# KiCad board lpddr5-testbed.kicad_pcb
title: LPDDR5 Testbed; date: 2023-12-19; rev: 1.0.0
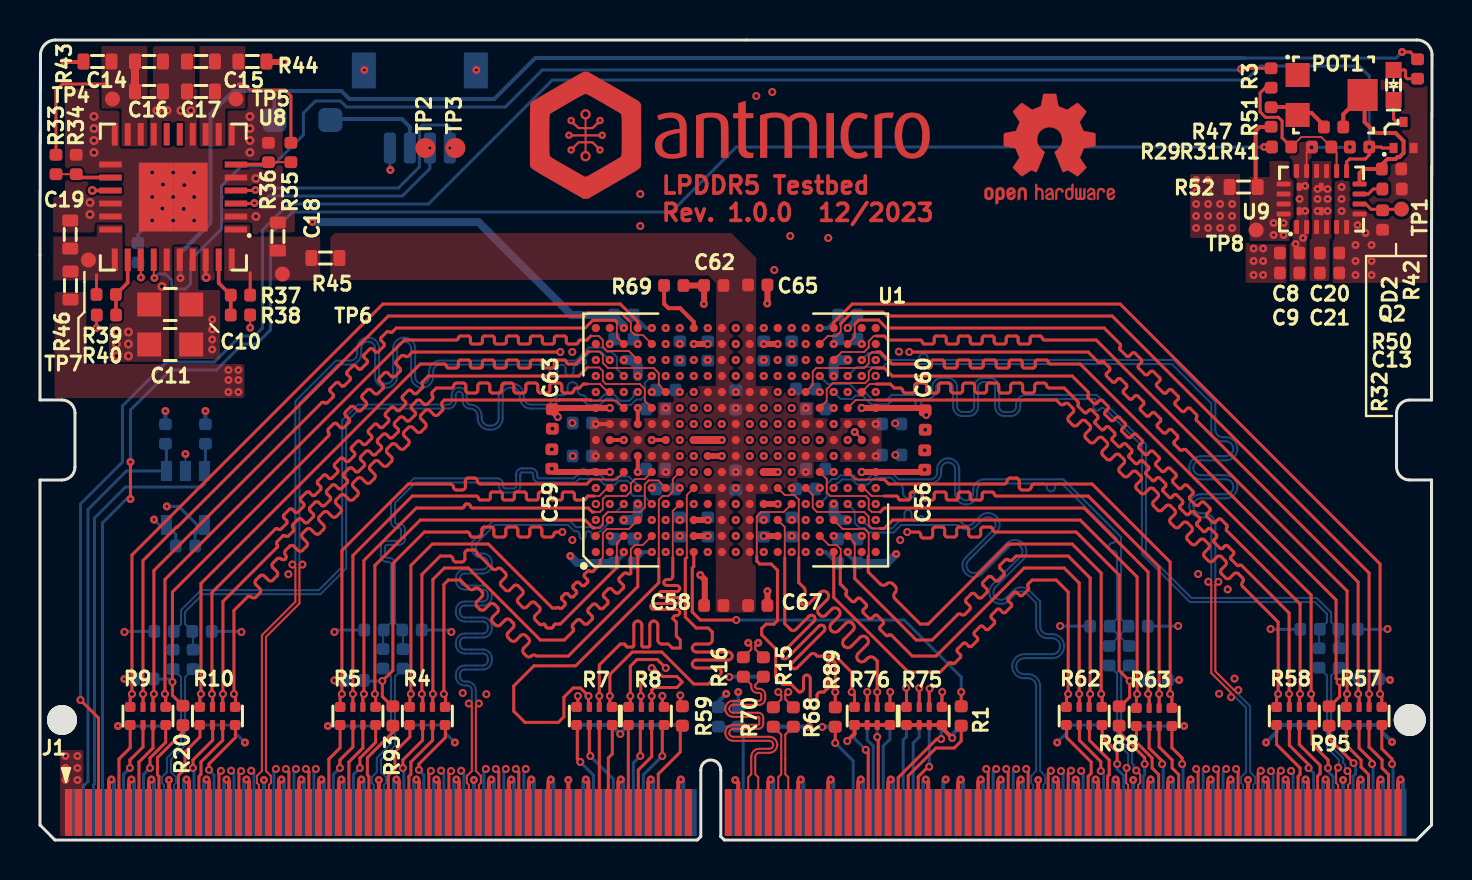
[diagram p0: board, top side]
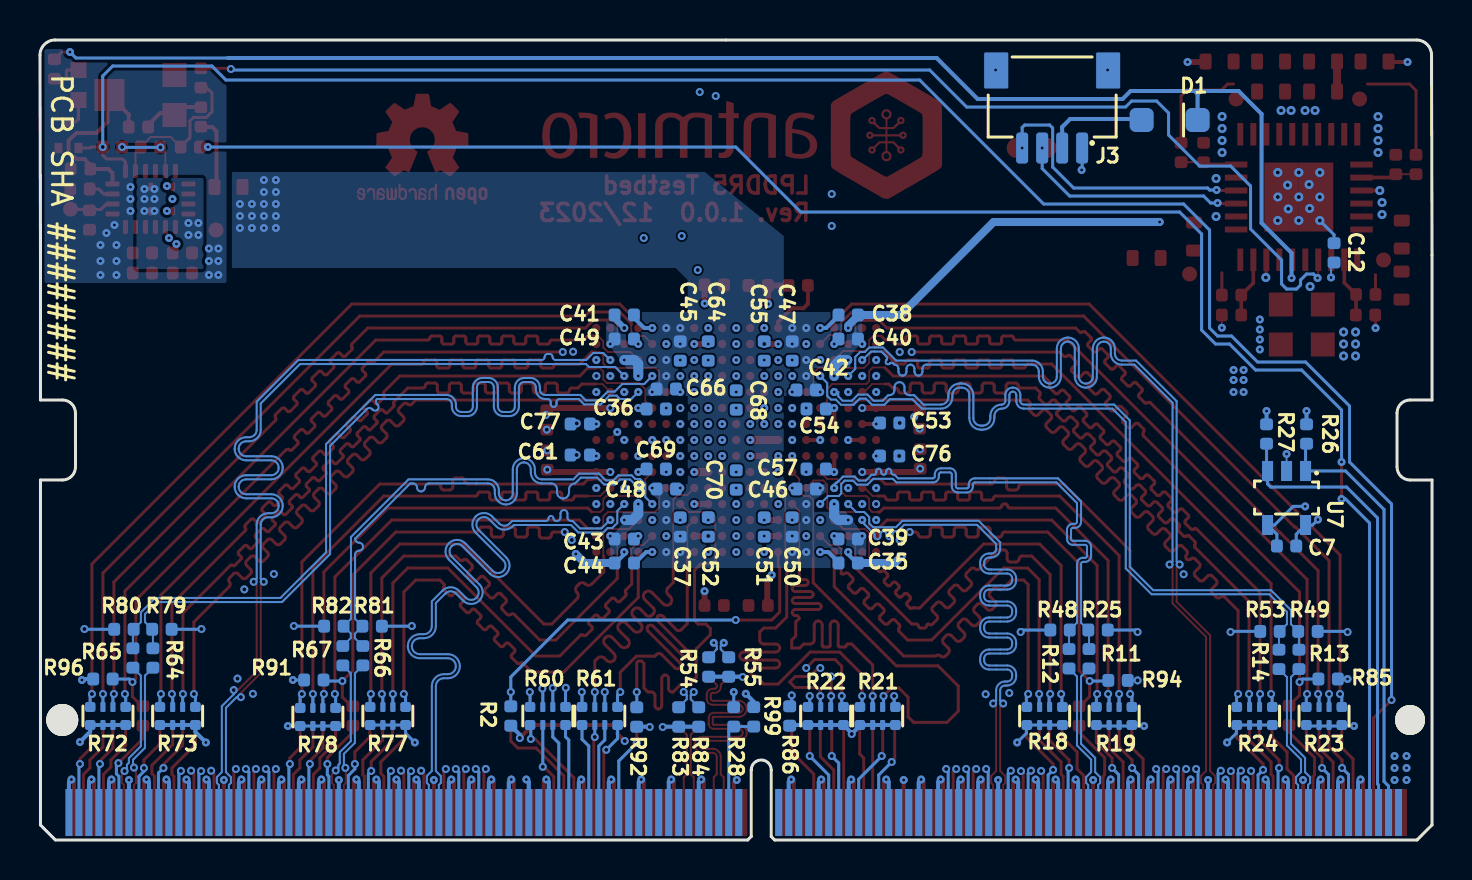
[diagram p1: board, bottom side, seen from below]

Outline 69.62 x 40 mm; copper layers: Top, In1.Cu (plane), In2.Cu (plane), In3.Cu, In4.Cu, Bottom. Coordinates in mm from the lower left corner of the outline.
Outline path: 0,29.25 0.02,39.25 arc(0.24,39.78) 0.77,40 68.88,40 arc(69.4,39.78) 69.62,39.25 69.6,29.25
Stack: Top 0.035mm / dielectric 0.11mm PR2116 er 4.29 / In1.Cu 0.018mm / dielectric 0.4mm FR4 er 4.29 / In2.Cu 0.018mm / dielectric 0.11mm PR2116 er 4.29 / In3.Cu 0.018mm / dielectric 0.4mm FR4 er 4.29 / In4.Cu 0.018mm / dielectric 0.11mm PR2116 er 4.29 / Bottom 0.035mm

## Placement (name value [footprint] x y rotation side)
C7  C_4u7_0402  [C_0402_1005Metric]  7.28 14.7 0 bottom
C8  C_4u7_0402  [C_0402_1005Metric]  62.5 29.35 0 top
C9  C_4u7_0402  [C_0402_1005Metric]  62.5 28.35 0 top
C10  C_22u_25V_0805  [C_0805_2012Metric]  6.51 26.78 0 top
C11  C_22u_25V_0805  [C_0805_2012Metric]  6.51 24.78 0 top
C12  C_1u_0402  [C_0402_1005Metric]  4.9 29.36 270 bottom
C13  C_10n_0402  [C_0402_1005Metric]  67.62 32.55 180 top
C14  C_22u_0603  [C_0603_1608Metric]  5.45 38.92 180 top
C15  C_22u_0603  [C_0603_1608Metric]  8.05 38.92 0 top
C16  C_22u_0603  [C_0603_1608Metric]  5.45 37.42 180 top
C17  C_22u_0603  [C_0603_1608Metric]  8.05 37.42 0 top
C18  C_22u_0603  [C_0603_1608Metric]  11.9 30.17 270 top
C19  C_22u_0603  [C_0603_1608Metric]  1.51 30.28 270 top
C20  C_4u7_0402  [C_0402_1005Metric]  64.5 29.35 180 top
C21  C_4u7_0402  [C_0402_1005Metric]  64.5 28.35 180 top
C35  C_4u7_0402  [C_0402_1005Metric]  29.2 13.85 180 bottom
C36  C_4u7_0402  [C_0402_1005Metric]  38.3 22.55 0 bottom
C37  C_4u7_0402  [C_0402_1005Metric]  37.6 15.65 270 bottom
C38  C_4u7_0402  [C_0402_1005Metric]  29.2 26.25 180 bottom
C39  C_4u7_0402  [C_0402_1005Metric]  29.2 15.05 180 bottom
C40  C_4u7_0402  [C_0402_1005Metric]  29.2 25.05 180 bottom
C41  C_4u7_0402  [C_0402_1005Metric]  40.4 26.25 0 bottom
C42  C_4u7_0402  [C_0402_1005Metric]  31.3 22.5 180 bottom
C43  C_4u7_0402  [C_0402_1005Metric]  40.4 15.05 0 bottom
C44  C_4u7_0402  [C_0402_1005Metric]  40.4 13.85 0 bottom
C45  C_4u7_0402  [C_0402_1005Metric]  37.6 24.45 90 bottom
C46  C_4u7_0402  [C_0402_1005Metric]  31.3 17.55 180 bottom
C47  C_4u7_0402  [C_0402_1005Metric]  32 24.45 90 bottom
C48  C_4u7_0402  [C_0402_1005Metric]  38.3 17.55 0 bottom
C49  C_4u7_0402  [C_0402_1005Metric]  40.4 25.05 0 bottom
C50  C_4u7_0402  [C_0402_1005Metric]  32 15.65 270 bottom
C51  C_4u7_0402  [C_0402_1005Metric]  33.4 15.65 270 bottom
C52  C_4u7_0402  [C_0402_1005Metric]  36.2 15.65 270 bottom
C53  C_4u7_0402  [C_0402_1005Metric]  27.12 20.85 0 bottom
C54  C_4u7_0402  [C_0402_1005Metric]  30.8 21.55 0 bottom
C55  C_4u7_0402  [C_0402_1005Metric]  33.4 24.45 90 bottom
C56  C_4u7_0402  [C_0402_1005Metric]  44.25 19 270 top
C57  C_4u7_0402  [C_0402_1005Metric]  30.8 18.55 0 bottom
C58  C_4u7_0402  [C_0402_1005Metric]  33.7 11.72 0 top
C59  C_4u7_0402  [C_0402_1005Metric]  25.6 19.05 270 top
C60  C_4u7_0402  [C_0402_1005Metric]  44.28 21 90 top
C61  C_4u7_0402  [C_0402_1005Metric]  42.6 19.25 180 bottom
C62  C_4u7_0402  [C_0402_1005Metric]  33.7 27.72 0 top
C63  C_4u7_0402  [C_0402_1005Metric]  25.62 21.05 90 top
C64  C_4u7_0402  [C_0402_1005Metric]  36.2 24.45 90 bottom
C65  C_4u7_0402  [C_0402_1005Metric]  35.9 27.75 180 top
C66  C_4u7_0402  [C_0402_1005Metric]  38.8 21.55 180 bottom
C67  C_4u7_0402  [C_0402_1005Metric]  35.9 11.72 180 top
C68  C_4u7_0402  [C_0402_1005Metric]  34.8 22 270 bottom
C69  C_4u7_0402  [C_0402_1005Metric]  38.8 18.55 180 bottom
C70  C_4u7_0402  [C_0402_1005Metric]  34.8 18 90 bottom
C76  C_4u7_0402  [C_0402_1005Metric]  27.12 19.2 0 bottom
C77  C_4u7_0402  [C_0402_1005Metric]  42.6 20.8 180 bottom
D1  PTVS48VS1UR  [D_SOD-123F]  13.12 36 0 bottom
D2  LED_G_0603_KP-1608CGCK  [LED_0603_1608Metric_G]  67.7 37.75 270 top
J1  Edge_Conn_Bus_DDR5_SODIMM_1xDetectPin  [Edge_Conn_Bus_DDR5_SODIMM]  0 0 0 top
J3  JST_SH_1x4_SM04B-SRSS-TB-LF-SN  [Conn_JST_SH_1x4_SM04B-SRSS-TB-LF-SN]  19 37.05 0 bottom
POT1  TC33X-2-203E  [Trimpot_3.8mmx3.6mm_TC33X-2-103E]  64.6 37.25 270 top
Q2  DMG1012T-7  [SOT-523]  68.2 35.25 0 top
R1  R_0R_0402  [R_0402_1005Metric]  46.08 6.2 90 top
R2  R_100R_0402  [R_0402_1005Metric]  46.08 6.2 90 bottom  (not fitted)
R3  R_0R_0402  [R_0402_1005Metric]  61.58 38.1 90 top
R4  R_4x100R_0402_array  [R_Array_4x0402_Panasonic_EXB28V]  19.38 6.2 0 top
R5  R_4x100R_0402_array  [R_Array_4x0402_Panasonic_EXB28V]  15.9 6.2 0 top
R7  R_4x100R_0402_array  [R_Array_4x0402_Panasonic_EXB28V]  27.73 6.2 0 top
R8  R_4x100R_0402_array  [R_Array_4x0402_Panasonic_EXB28V]  30.33 6.2 0 top
R9  R_4x100R_0402_array  [R_Array_4x0402_Panasonic_EXB28V]  5.4 6.2 0 top
R10  R_4x100R_0402_array  [R_Array_4x0402_Panasonic_EXB28V]  8.88 6.2 0 top
R11  R_100R_0402  [R_0402_1005Metric]  17.16 9.06 90 bottom
R12  R_100R_0402  [R_0402_1005Metric]  18.16 9.06 90 bottom
R13  R_100R_0402  [R_0402_1005Metric]  6.66 9.03 90 bottom
R14  R_100R_0402  [R_0402_1005Metric]  7.66 9.03 90 bottom
R15  R_100R_0402  [R_0402_1005Metric]  36.18 8.65 90 top
R16  R_100R_0402  [R_0402_1005Metric]  35.18 8.65 90 top
R18  R_4x100R_0402_array  [R_Array_4x0402_Panasonic_EXB28V]  19.38 6.2 0 bottom
R19  R_4x100R_0402_array  [R_Array_4x0402_Panasonic_EXB28V]  15.9 6.2 0 bottom
R20  R_100R_0402  [R_0402_1005Metric]  7.15 6.22 90 top
R21  R_4x100R_0402_array  [R_Array_4x0402_Panasonic_EXB28V]  27.73 6.2 0 bottom
R22  R_4x100R_0402_array  [R_Array_4x0402_Panasonic_EXB28V]  30.33 6.2 0 bottom
R23  R_4x100R_0402_array  [R_Array_4x0402_Panasonic_EXB28V]  5.4 6.2 0 bottom
R24  R_4x100R_0402_array  [R_Array_4x0402_Panasonic_EXB28V]  8.88 6.2 0 bottom
R25  R_100R_0402  [R_0402_1005Metric]  16.71 10.5 180 bottom
R26  R_0R_0402  [R_0402_1005Metric]  6.28 20.3 90 bottom
R27  R_0R_0402  [R_0402_1005Metric]  8.28 20.3 90 bottom
R28  R_200k_0402  [R_0402_1005Metric]  34.93 6.16 270 bottom  (not fitted)
R29  R_0R_0402  [R_0402_1005Metric]  62.1 34.65 0 top  (not fitted)
R31  R_25k5_0402  [R_0402_1005Metric]  64.1 34.65 180 top
R32  R_25k5_0402  [R_0402_1005Metric]  67.15 31 90 top
R33  R_100k_0402  [R_0402_1005Metric]  0.8 33.78 90 top
R34  R_49k9_0402  [R_0402_1005Metric]  1.81 33.78 90 top
R35  R_100k_0402  [R_0402_1005Metric]  12.55 34.38 90 top
R36  R_200k_0402  [R_0402_1005Metric]  11.43 34.38 90 top
R37  R_100k_0402  [R_0402_1005Metric]  10.03 27.25 0 top
R38  R_130k_0402  [R_0402_1005Metric]  10.03 26.25 0 top
R39  R_100k_0402  [R_0402_1005Metric]  3.31 27.28 180 top
R40  R_120k_0402  [R_0402_1005Metric]  3.33 26.25 180 top
R41  R_25k5_0402  [R_0402_1005Metric]  66 34.65 180 top
R42  R_1k_0402  [R_0402_1005Metric]  68.9 38.55 270 top
R43  R_0R_22.4A_0603  [R_0603_1608Metric]  2.88 38.92 0 top
R44  R_0R_22.4A_0603  [R_0603_1608Metric]  10.62 38.92 180 top
R45  R_0R_22.4A_0603  [R_0603_1608Metric]  14.28 29.1 180 top
R46  R_0R_22.4A_0603  [R_0603_1608Metric]  1.53 27.72 90 top
R47  R_0R_0402  [R_0402_1005Metric]  64.7 35.65 180 top  (not fitted)
R48  R_100R_0402  [R_0402_1005Metric]  18.61 10.5 0 bottom
R49  R_100R_0402  [R_0402_1005Metric]  6.21 10.43 180 bottom
R50  R_3k9_0402  [R_0402_1005Metric]  67.6 33.55 180 top
R51  R_3k9_0402  [R_0402_1005Metric]  61.58 36.15 270 top
R52  R_0R_22.4A_0603  [R_0603_1608Metric]  60.2 32.65 0 top
R53  R_100R_0402  [R_0402_1005Metric]  8.11 10.43 0 bottom
R54  R_100R_0402  [R_0402_1005Metric]  36.18 8.65 270 bottom
R55  R_100R_0402  [R_0402_1005Metric]  35.18 8.65 270 bottom
R57  R_4x100R_0402_array  [R_Array_4x0402_Panasonic_EXB28V]  66.22 6.2 0 top
R58  R_4x100R_0402_array  [R_Array_4x0402_Panasonic_EXB28V]  62.74 6.2 0 top
R59  R_100R_0402  [R_0402_1005Metric]  32.12 6.2 90 top
R60  R_4x100R_0402_array  [R_Array_4x0402_Panasonic_EXB28V]  44.22 6.2 180 bottom
R61  R_4x100R_0402_array  [R_Array_4x0402_Panasonic_EXB28V]  41.62 6.2 180 bottom
R62  R_4x100R_0402_array  [R_Array_4x0402_Panasonic_EXB28V]  52.22 6.2 0 top
R63  R_4x100R_0402_array  [R_Array_4x0402_Panasonic_EXB28V]  55.72 6.15 0 top
R64  R_100R_0402  [R_0402_1005Metric]  63.97 9.1 90 bottom
R65  R_100R_0402  [R_0402_1005Metric]  64.97 9.1 90 bottom
R66  R_100R_0402  [R_0402_1005Metric]  53.47 9.22 90 bottom
R67  R_100R_0402  [R_0402_1005Metric]  54.47 9.22 90 bottom
R68  R_100R_0402  [R_0402_1005Metric]  37.68 6.15 90 top
R69  R_240R_0402  [R_0402_1005Metric]  31.7 27.72 180 top
R70  R_100R_0402  [R_0402_1005Metric]  36.68 6.15 90 top
R72  R_4x100R_0402_array  [R_Array_4x0402_Panasonic_EXB28V]  66.22 6.2 0 bottom
R73  R_4x100R_0402_array  [R_Array_4x0402_Panasonic_EXB28V]  62.74 6.2 0 bottom
R75  R_4x100R_0402_array  [R_Array_4x0402_Panasonic_EXB28V]  44.22 6.2 180 top
R76  R_4x100R_0402_array  [R_Array_4x0402_Panasonic_EXB28V]  41.62 6.2 180 top
R77  R_4x100R_0402_array  [R_Array_4x0402_Panasonic_EXB28V]  52.22 6.2 0 bottom
R78  R_4x100R_0402_array  [R_Array_4x0402_Panasonic_EXB28V]  55.72 6.15 0 bottom
R79  R_100R_0402  [R_0402_1005Metric]  63.53 10.53 180 bottom
R80  R_100R_0402  [R_0402_1005Metric]  65.43 10.53 0 bottom
R81  R_100R_0402  [R_0402_1005Metric]  53.01 10.69 180 bottom
R82  R_100R_0402  [R_0402_1005Metric]  54.93 10.69 0 bottom
R83  R_100R_0402  [R_0402_1005Metric]  37.68 6.15 270 bottom
R84  R_100R_0402  [R_0402_1005Metric]  36.68 6.15 270 bottom
R85  R_100R_0402  [R_0402_1005Metric]  5.2 8.05 180 bottom
R86  R_100R_0402  [R_0402_1005Metric]  32.12 6.2 270 bottom
R88  R_100R_0402  [R_0402_1005Metric]  53.97 6.2 90 top
R89  R_100R_0402  [R_0402_1005Metric]  39.78 6.15 90 top
R91  R_100R_0402  [R_0402_1005Metric]  55.93 8 0 bottom
R92  R_100R_0402  [R_0402_1005Metric]  39.78 6.15 270 bottom
R93  R_100R_0402  [R_0402_1005Metric]  17.65 6.2 90 top
R94  R_100R_0402  [R_0402_1005Metric]  15.71 7.98 180 bottom
R95  R_100R_0402  [R_0402_1005Metric]  64.47 6.2 90 top
R96  R_100R_0402  [R_0402_1005Metric]  66.47 8.05 0 bottom
R99  R_100k_0402  [R_0402_1005Metric]  33.93 6.16 90 bottom  (not fitted)
REF**  -  [antmicro-logo_scaled_20mm]  34.5 35.05 0 top
REF**#2  antmicro-logo_scaled_20mm  [antmicro-logo_scaled_20mm_mask]  34.5 35.05 0 top
REF**#3  -  [OSHW-Logo2_7.3x6mm_Copper_Mask]  50.5 34.55 0 top
TP1  TP_0.75mm_SMD  [TP_SMD_0.75mm]  68.09 31.54 90 top
TP2  TP_1mm_SMD  [TP_SMD_1mm]  19.28 34.6 90 top
TP3  TP_1mm_SMD  [TP_SMD_1mm]  20.78 34.6 90 top
TP4  TP_0.75mm_SMD  [TP_SMD_0.75mm]  3.62 37.05 0 top
TP5  TP_0.75mm_SMD  [TP_SMD_0.75mm]  9.8 37.05 0 top
TP6  TP_0.75mm_SMD  [TP_SMD_0.75mm]  12.12 28.3 0 top
TP7  TP_0.75mm_SMD  [TP_SMD_0.75mm]  2.43 29 0 top
TP8  TP_0.75mm_SMD  [TP_SMD_0.75mm]  60.83 30.5 0 top
U1  MT62F1G32D4DR-031  [BGA-315_12.4x15mm_Layout15x21_P0.8x0.7mm]  34.8 20 90 top
U7  AT24CS01_SOT23  [SOT-23-5]  7.28 17.1 270 bottom
U8  MPM54304GMN-0001  [LGA-33_7x7mm_P0.65mm]  6.66 32.15 180 top
U9  LT3033EUDC_QFN  [QFN-20-4EP_3x4x0.75mm_P0.5mm_Layout4x6_LT3033]  64.1 32.05 90 top

## Library data of the parts
C7-C9 C20 C21 C35-C70 C76 C77 = -: Author: Antmicro; License: Apache-2.0; MPN: GRM155R61A475MEAAD; Manufacturer: Murata; Val: 4u7
C10 C11 = -: Author: Antmicro; License: Apache-2.0; MPN: CL21A226MAYNNNE; Manufacturer: Samsung Electro-Mechanics; Val: 22u_25V
C12 = -: Author: Antmicro; License: Apache-2.0; MPN: C1005X6S1A105K050BC; Manufacturer: TDK; Val: 1u
C13 = -: Author: Antmicro; Dielectric: X7R; License: Apache-2.0; MPN: GRM155R71H103KA88D; Manufacturer: Murata; Val: 10n; Voltage: 50V
C14-C19 = -: Author: Antmicro; License: Apache-2.0; MPN: GRM188R60J226MEA0D; Manufacturer: Murata; Val: 22u
D1 = -: Author: Antmicro; License: Apache-2.0; MPN: PTVS48VS1UR,115; Manufacturer: Nexperia
D2 = -: Author: Antmicro; License: Apache-2.0; MPN: KP-1608CGCK; Manufacturer: Kingbright
J1 TP1-TP8 = -: Author: Antmicro; License: Apache-2.0
J3 = -: Author: Antmicro; License: Apache-2.0; MPN: SM04B-SRSS-TB(LF)(SN); Manufacturer: JST Automotive Connectors
POT1 = -: Author: Antmicro; License: Apache-2.0; Manufacturer: Bourns
Q2 = -: Author: Antmicro; License: Apache-2.0; Manufacturer: Diodes Incorporated
R1 R3 R26 R27 R29 R47 = -: Author: Antmicro; Current: 1A; License: Apache-2.0; MPN: ERJ2GE0R00X; Manufacturer: Panasonic; Val: 0R
R2 R11-R16 R20 R25 R48 R49 R53-R55 R59 R64-R68 R70 R79-R86 R88 R89 R91-R96 = -: Author: Antmicro; License: Apache-2.0; MPN: CR0402-FX-1000GLF; Manufacturer: Bourns; Tolerance: 1%; Val: 100R
R4 R5 R7-R10 R18 R19 R21-R24 R57 R58 R60-R63 R72 R73 R75-R78 = -: Author: Antmicro; License: Apache-2.0; MPN: EXB-28V101JX; Manufacturer: Panasonic; Val: R_4x100R_0402
R28 R36 = -: Author: Antmicro; License: Apache-2.0; MPN: CR0402-FX-2003GLF; Manufacturer: Bourns; Tolerance: 1%; Val: 200k
R31 R32 R41 = -: Author: Antmicro; License: Apache-2.0; MPN: CR0402-FX-2552GLF; Manufacturer: Bourns; Tolerance: 1%; Val: 25k5
R33 R35 R37 R39 R99 = -: Author: Antmicro; License: Apache-2.0; MPN: CR0402-FX-1003GLF; Manufacturer: Bourns; Tolerance: 1%; Val: 100k
R34 = -: Author: Antmicro; License: Apache-2.0; MPN: CR0402-FX-4992GLF; Manufacturer: Bourns; Tolerance: 1%; Val: 49k9
R38 = -: Author: Antmicro; License: Apache-2.0; MPN: CR0402-FX-1303GLF; Manufacturer: Bourns; Tolerance: 1%; Val: 130k
R40 = -: Author: Antmicro; License: Apache-2.0; MPN: CR0402-FX-1203GLF; Manufacturer: Bourns; Tolerance: 1%; Val: 120k
R42 = -: Author: Antmicro; License: Apache-2.0; MPN: CR0402-FX-1001GLF; Manufacturer: Bourns; Tolerance: 1%; Val: 1k
R43-R46 R52 = -: Author: Antmicro; License: Apache-2.0; MPN: PMR03EZPJ000; Manufacturer: ROHM Semiconductor; Max. Curr.: 22.4A; Tolerance: template_tolerance; Val: 0R
R50 R51 = -: Author: Antmicro; License: Apache-2.0; MPN: CR0402-FX-3901GLF; Manufacturer: Bourns; Tolerance: 1%; Val: 3k9
R69 = -: Author: Antmicro; License: Apache-2.0; MPN: CR0402-FX-2400GLF; Manufacturer: Bourns; Tolerance: 1%; Val: 240R
U1 = -: Author: Antmicro; License: Apache-2.0; MPN: MT62F1G32D4DR-031 WT:B; Manufacturer: Micron Technology
U7 = -: Author: Antmicro; License: Apache-2.0; MPN: AT24CS01-ST; Manufacturer: Atmel
U8 = -: Author: Antmicro; License: Apache-2.0; Manufacturer: Monolithic Power Systems
U9 = -: Author: Antmicro; License: Apache-2.0; MPN: LT3033EUDC#PBF; Manufacturer: Analog Devices

## Footprints (pads in the part's own frame, mm; a bottom-side part is the same pattern mirrored in y, then rotated)
BGA-315_12.4x15mm_Layout15x21_P0.8x0.7mm
  round 0.41 smd: A1(-5.6,7) A2(-4.8,7) A3(-4,7) A4(-3.2,7) A5(-2.4,7) A6(-1.6,7) A7(-0.8,7) A8(0,7) A9(0.8,7) A10(1.6,7) A11(2.4,7) A12(3.2,7) A13(4,7) A14(4.8,7) A15(5.6,7) AA1(-5.6,-7) AA2(-4.8,-7) AA3(-4,-7) AA4(-3.2,-7) AA5(-2.4,-7) AA6(-1.6,-7) AA7(-0.8,-7) AA8(0,-7) AA9(0.8,-7) AA10(1.6,-7) AA11(2.4,-7) AA12(3.2,-7) AA13(4,-7) AA14(4.8,-7) AA15(5.6,-7) B1(-5.6,6.3) B2(-4.8,6.3) B3(-4,6.3) B4(-3.2,6.3) B5(-2.4,6.3) B6(-1.6,6.3) B7(-0.8,6.3) B8(0,6.3) B9(0.8,6.3) B10(1.6,6.3) B11(2.4,6.3) B12(3.2,6.3) B13(4,6.3) B14(4.8,6.3) B15(5.6,6.3) C1(-5.6,5.6) C2(-4.8,5.6) C3(-4,5.6) C4(-3.2,5.6) C5(-2.4,5.6) C6(-1.6,5.6) C7(-0.8,5.6) C8(0,5.6) C9(0.8,5.6) C10(1.6,5.6) C11(2.4,5.6) C12(3.2,5.6) C13(4,5.6) C14(4.8,5.6) C15(5.6,5.6) D1(-5.6,4.9) D2(-4.8,4.9) D3(-4,4.9) D4(-3.2,4.9) D5(-2.4,4.9) D6(-1.6,4.9) D7(-0.8,4.9) D8(0,4.9) D9(0.8,4.9) D10(1.6,4.9) D11(2.4,4.9) D12(3.2,4.9) D13(4,4.9) D14(4.8,4.9) D15(5.6,4.9) E1(-5.6,4.2) E2(-4.8,4.2) E3(-4,4.2) E4(-3.2,4.2) E5(-2.4,4.2) E6(-1.6,4.2) E7(-0.8,4.2) E8(0,4.2) E9(0.8,4.2) E10(1.6,4.2) E11(2.4,4.2) E12(3.2,4.2) E13(4,4.2) E14(4.8,4.2) E15(5.6,4.2) F1(-5.6,3.5) F2(-4.8,3.5) F3(-4,3.5) F4(-3.2,3.5) F5(-2.4,3.5) F6(-1.6,3.5) F7(-0.8,3.5) F8(0,3.5) F9(0.8,3.5) F10(1.6,3.5) F11(2.4,3.5) F12(3.2,3.5) F13(4,3.5) F14(4.8,3.5) F15(5.6,3.5) G1(-5.6,2.8) G2(-4.8,2.8) G3(-4,2.8) G4(-3.2,2.8) G5(-2.4,2.8) G6(-1.6,2.8) G7(-0.8,2.8) G8(0,2.8) G9(0.8,2.8) G10(1.6,2.8) G11(2.4,2.8) G12(3.2,2.8) G13(4,2.8) G14(4.8,2.8) G15(5.6,2.8) H1(-5.6,2.1) H2(-4.8,2.1) H3(-4,2.1) H4(-3.2,2.1) H5(-2.4,2.1) H6(-1.6,2.1) H7(-0.8,2.1) H8(0,2.1) H9(0.8,2.1) H10(1.6,2.1) H11(2.4,2.1) H12(3.2,2.1) H13(4,2.1) H14(4.8,2.1) H15(5.6,2.1) J1(-5.6,1.4) J2(-4.8,1.4) J3(-4,1.4) J4(-3.2,1.4) J5(-2.4,1.4) J6(-1.6,1.4) J7(-0.8,1.4) J8(0,1.4) J9(0.8,1.4) J10(1.6,1.4) J11(2.4,1.4) J12(3.2,1.4) J13(4,1.4) J14(4.8,1.4) J15(5.6,1.4) K1(-5.6,0.7) K2(-4.8,0.7) K3(-4,0.7) K4(-3.2,0.7) K5(-2.4,0.7) K6(-1.6,0.7) K7(-0.8,0.7) K8(0,0.7) K9(0.8,0.7) K10(1.6,0.7) K11(2.4,0.7) K12(3.2,0.7) K13(4,0.7) K14(4.8,0.7) K15(5.6,0.7) L1(-5.6,0) L2(-4.8,0) L3(-4,0) L4(-3.2,0) L5(-2.4,0) L6(-1.6,0) L7(-0.8,0) L8(0,0) L9(0.8,0) L10(1.6,0) L11(2.4,0) L12(3.2,0) L13(4,0) L14(4.8,0) L15(5.6,0) M1(-5.6,-0.7) M2(-4.8,-0.7) M3(-4,-0.7) M4(-3.2,-0.7) M5(-2.4,-0.7) M6(-1.6,-0.7) M7(-0.8,-0.7) M8(0,-0.7) M9(0.8,-0.7) M10(1.6,-0.7) M11(2.4,-0.7) M12(3.2,-0.7) M13(4,-0.7) M14(4.8,-0.7) M15(5.6,-0.7) N1(-5.6,-1.4) N2(-4.8,-1.4) N3(-4,-1.4) N4(-3.2,-1.4) N5(-2.4,-1.4) N6(-1.6,-1.4) N7(-0.8,-1.4) N8(0,-1.4) N9(0.8,-1.4) N10(1.6,-1.4) N11(2.4,-1.4) N12(3.2,-1.4) N13(4,-1.4) N14(4.8,-1.4) N15(5.6,-1.4) P1(-5.6,-2.1) P2(-4.8,-2.1) P3(-4,-2.1) P4(-3.2,-2.1) P5(-2.4,-2.1) P6(-1.6,-2.1) P7(-0.8,-2.1) P8(0,-2.1) P9(0.8,-2.1) P10(1.6,-2.1) P11(2.4,-2.1) P12(3.2,-2.1) P13(4,-2.1) P14(4.8,-2.1) P15(5.6,-2.1) R1(-5.6,-2.8) R2(-4.8,-2.8) R3(-4,-2.8) R4(-3.2,-2.8) R5(-2.4,-2.8) R6(-1.6,-2.8) R7(-0.8,-2.8) R8(0,-2.8) R9(0.8,-2.8) R10(1.6,-2.8) R11(2.4,-2.8) R12(3.2,-2.8) R13(4,-2.8) R14(4.8,-2.8) R15(5.6,-2.8) T1(-5.6,-3.5) T2(-4.8,-3.5) T3(-4,-3.5) T4(-3.2,-3.5) T5(-2.4,-3.5) T6(-1.6,-3.5) T7(-0.8,-3.5) T8(0,-3.5) T9(0.8,-3.5) T10(1.6,-3.5) T11(2.4,-3.5) T12(3.2,-3.5) T13(4,-3.5) T14(4.8,-3.5) T15(5.6,-3.5) U1(-5.6,-4.2) U2(-4.8,-4.2) U3(-4,-4.2) U4(-3.2,-4.2) U5(-2.4,-4.2) U6(-1.6,-4.2) U7(-0.8,-4.2) U8(0,-4.2) U9(0.8,-4.2) U10(1.6,-4.2) U11(2.4,-4.2) U12(3.2,-4.2) U13(4,-4.2) U14(4.8,-4.2) U15(5.6,-4.2) V1(-5.6,-4.9) V2(-4.8,-4.9) V3(-4,-4.9) V4(-3.2,-4.9) V5(-2.4,-4.9) V6(-1.6,-4.9) V7(-0.8,-4.9) V8(0,-4.9) V9(0.8,-4.9) V10(1.6,-4.9) V11(2.4,-4.9) V12(3.2,-4.9) V13(4,-4.9) V14(4.8,-4.9) V15(5.6,-4.9) W1(-5.6,-5.6) W2(-4.8,-5.6) W3(-4,-5.6) W4(-3.2,-5.6) W5(-2.4,-5.6) W6(-1.6,-5.6) W7(-0.8,-5.6) W8(0,-5.6) W9(0.8,-5.6) W10(1.6,-5.6) W11(2.4,-5.6) W12(3.2,-5.6) W13(4,-5.6) W14(4.8,-5.6) W15(5.6,-5.6) Y1(-5.6,-6.3) Y2(-4.8,-6.3) Y3(-4,-6.3) Y4(-3.2,-6.3) Y5(-2.4,-6.3) Y6(-1.6,-6.3) Y7(-0.8,-6.3) Y8(0,-6.3) Y9(0.8,-6.3) Y10(1.6,-6.3) Y11(2.4,-6.3) Y12(3.2,-6.3) Y13(4,-6.3) Y14(4.8,-6.3) Y15(5.6,-6.3)
C_0402_1005Metric
  rrect 0.59x0.64 smd: 1(-0.484,0) 2(0.484,0)
C_0603_1608Metric
  rrect 0.6x0.8 smd: 1(-0.7,0) 2(0.7,0)
C_0805_2012Metric
  rect 1.2x1.2 smd: 1(-1.05,0) 2(1.05,0)
Conn_JST_SH_1x4_SM04B-SRSS-TB-LF-SN
  rrect 0.6x1.55 smd: 1(-1.5,2.45) 2(-0.5,2.45) 3(0.498,2.45) 4(1.499,2.45)
  rrect 1.2x1.8 smd: SH1(-2.801,-1.426) SH2(2.798,-1.426)
D_SOD-123F
  rrect 1.2x1.2 smd: A(1.398,0) K(-1.401,0)
Edge_Conn_Bus_DDR5_SODIMM
  round 1.5 hole 1.5 unplated: (1.1,6)
  round 1.6 hole 1.6 unplated: (68.51,6)
  rect 0.35x2.35 smd: 1(1.425,1.375) 3(1.925,1.375) 5(2.425,1.375) 7(2.925,1.375) 9(3.425,1.375) 11(3.925,1.375) 13(4.425,1.375) 15(4.925,1.375) 17(5.425,1.375) 19(5.925,1.375) 21(6.425,1.375) 23(6.925,1.375) 25(7.425,1.375) 27(7.925,1.375) 29(8.425,1.375) 31(8.925,1.375) 33(9.425,1.375) 35(9.925,1.375) 37(10.425,1.375) 39(10.925,1.375) 41(11.425,1.375) 43(11.925,1.375) 45(12.425,1.375) 47(12.925,1.375) 49(13.425,1.375) 51(13.925,1.375) 53(14.425,1.375) 55(14.925,1.375) 57(15.425,1.375) 59(15.925,1.375) 61(16.425,1.375) 63(16.925,1.375) 65(17.425,1.375) 67(17.925,1.375) 69(18.425,1.375) 71(18.925,1.375) 73(19.425,1.375) 75(19.925,1.375) 77(20.425,1.375) 79(20.925,1.375) 81(21.425,1.375) 83(21.925,1.375) 85(22.425,1.375) 87(22.925,1.375) 89(23.425,1.375) 91(23.925,1.375) 93(24.425,1.375) 95(24.925,1.375) 97(25.425,1.375) 99(25.925,1.375) 101(26.425,1.375) 103(26.925,1.375) 105(27.425,1.375) 107(27.925,1.375) 109(28.425,1.375) 111(28.925,1.375) 113(29.425,1.375) 115(29.925,1.375) 117(30.425,1.375) 119(30.925,1.375) 121(31.425,1.375) 123(31.925,1.375) 125(32.425,1.375) 127(34.425,1.375) 129(34.925,1.375) 131(35.425,1.375) 133(35.925,1.375) 135(36.425,1.375) 137(36.925,1.375) 139(37.425,1.375) 141(37.925,1.375) 143(38.425,1.375) 145(38.925,1.375) 147(39.425,1.375) 149(39.925,1.375) 151(40.425,1.375) 153(40.925,1.375) 155(41.425,1.375) 157(41.925,1.375) 159(42.425,1.375) 161(42.925,1.375) 163(43.425,1.375) 165(43.925,1.375) 167(44.425,1.375) 169(44.925,1.375) 171(45.425,1.375) 173(45.925,1.375) 175(46.425,1.375) 177(46.925,1.375) 179(47.425,1.375) 181(47.925,1.375) 183(48.425,1.375) 185(48.925,1.375) 187(49.425,1.375) 189(49.925,1.375) 191(50.425,1.375) 193(50.925,1.375) 195(51.425,1.375) 197(51.925,1.375) 199(52.425,1.375) 201(52.925,1.375) 203(53.425,1.375) 205(53.925,1.375) 207(54.425,1.375) 209(54.925,1.375) 211(55.425,1.375) 213(55.925,1.375) 215(56.425,1.375) 217(56.925,1.375) 219(57.425,1.375) 221(57.925,1.375) 223(58.425,1.375) 225(58.925,1.375) 227(59.425,1.375) 229(59.925,1.375) 231(60.425,1.375) 233(60.925,1.375) 235(61.425,1.375) 237(61.925,1.375) 239(62.425,1.375) 241(62.925,1.375) 243(63.425,1.375) 245(63.925,1.375) 247(64.425,1.375) 249(64.925,1.375) 251(65.425,1.375) 253(65.925,1.375) 255(66.425,1.375) 257(66.925,1.375) 259(67.425,1.375) 261(67.925,1.375)
  rect 0.35x2.35 smd far side: 2(1.675,1.375) 4(2.175,1.375) 6(2.675,1.375) 8(3.175,1.375) 10(3.675,1.375) 12(4.175,1.375) 14(4.675,1.375) 16(5.175,1.375) 18(5.675,1.375) 20(6.175,1.375) 22(6.675,1.375) 24(7.175,1.375) 26(7.675,1.375) 28(8.175,1.375) 30(8.675,1.375) 32(9.175,1.375) 34(9.675,1.375) 36(10.175,1.375) 38(10.675,1.375) 40(11.175,1.375) 42(11.675,1.375) 44(12.175,1.375) 46(12.675,1.375) 48(13.175,1.375) 50(13.675,1.375) 52(14.175,1.375) 54(14.675,1.375) 56(15.175,1.375) 58(15.675,1.375) 60(16.175,1.375) 62(16.675,1.375) 64(17.175,1.375) 66(17.675,1.375) 68(18.175,1.375) 70(18.675,1.375) 72(19.175,1.375) 74(19.675,1.375) 76(20.175,1.375) 78(20.675,1.375) 80(21.175,1.375) 82(21.675,1.375) 84(22.175,1.375) 86(22.675,1.375) 88(23.175,1.375) 90(23.675,1.375) 92(24.175,1.375) 94(24.675,1.375) 96(25.175,1.375) 98(25.675,1.375) 100(26.175,1.375) 102(26.675,1.375) 104(27.175,1.375) 106(27.675,1.375) 108(28.175,1.375) 110(28.675,1.375) 112(29.175,1.375) 114(29.675,1.375) 116(30.175,1.375) 118(30.675,1.375) 120(31.175,1.375) 122(31.675,1.375) 124(32.175,1.375) 126(32.675,1.375) 128(34.675,1.375) 130(35.175,1.375) 132(35.675,1.375) 134(36.175,1.375) 136(36.675,1.375) 138(37.175,1.375) 140(37.675,1.375) 142(38.175,1.375) 144(38.675,1.375) 146(39.175,1.375) 148(39.675,1.375) 150(40.175,1.375) 152(40.675,1.375) 154(41.175,1.375) 156(41.675,1.375) 158(42.175,1.375) 160(42.675,1.375) 162(43.175,1.375) 164(43.675,1.375) 166(44.175,1.375) 168(44.675,1.375) 170(45.175,1.375) 172(45.675,1.375) 174(46.175,1.375) 176(46.675,1.375) 178(47.175,1.375) 180(47.675,1.375) 182(48.175,1.375) 184(48.675,1.375) 186(49.175,1.375) 188(49.675,1.375) 190(50.175,1.375) 192(50.675,1.375) 194(51.175,1.375) 196(51.675,1.375) 198(52.175,1.375) 200(52.675,1.375) 202(53.175,1.375) 204(53.675,1.375) 206(54.175,1.375) 208(54.675,1.375) 210(55.175,1.375) 212(55.675,1.375) 214(56.175,1.375) 216(56.675,1.375) 218(57.175,1.375) 220(57.675,1.375) 222(58.175,1.375) 224(58.675,1.375) 226(59.175,1.375) 228(59.675,1.375) 230(60.175,1.375) 232(60.675,1.375) 234(61.175,1.375) 236(61.675,1.375) 238(62.175,1.375) 240(62.675,1.375) 242(63.175,1.375) 244(63.675,1.375) 246(64.175,1.375) 248(64.675,1.375) 250(65.175,1.375) 252(65.675,1.375) 254(66.175,1.375) 256(66.675,1.375) 258(67.175,1.375) 260(67.675,1.375) 262(68.175,1.375)